# KiCad board Turbo_XT_Mainboard R3.kicad_pcb (continued)
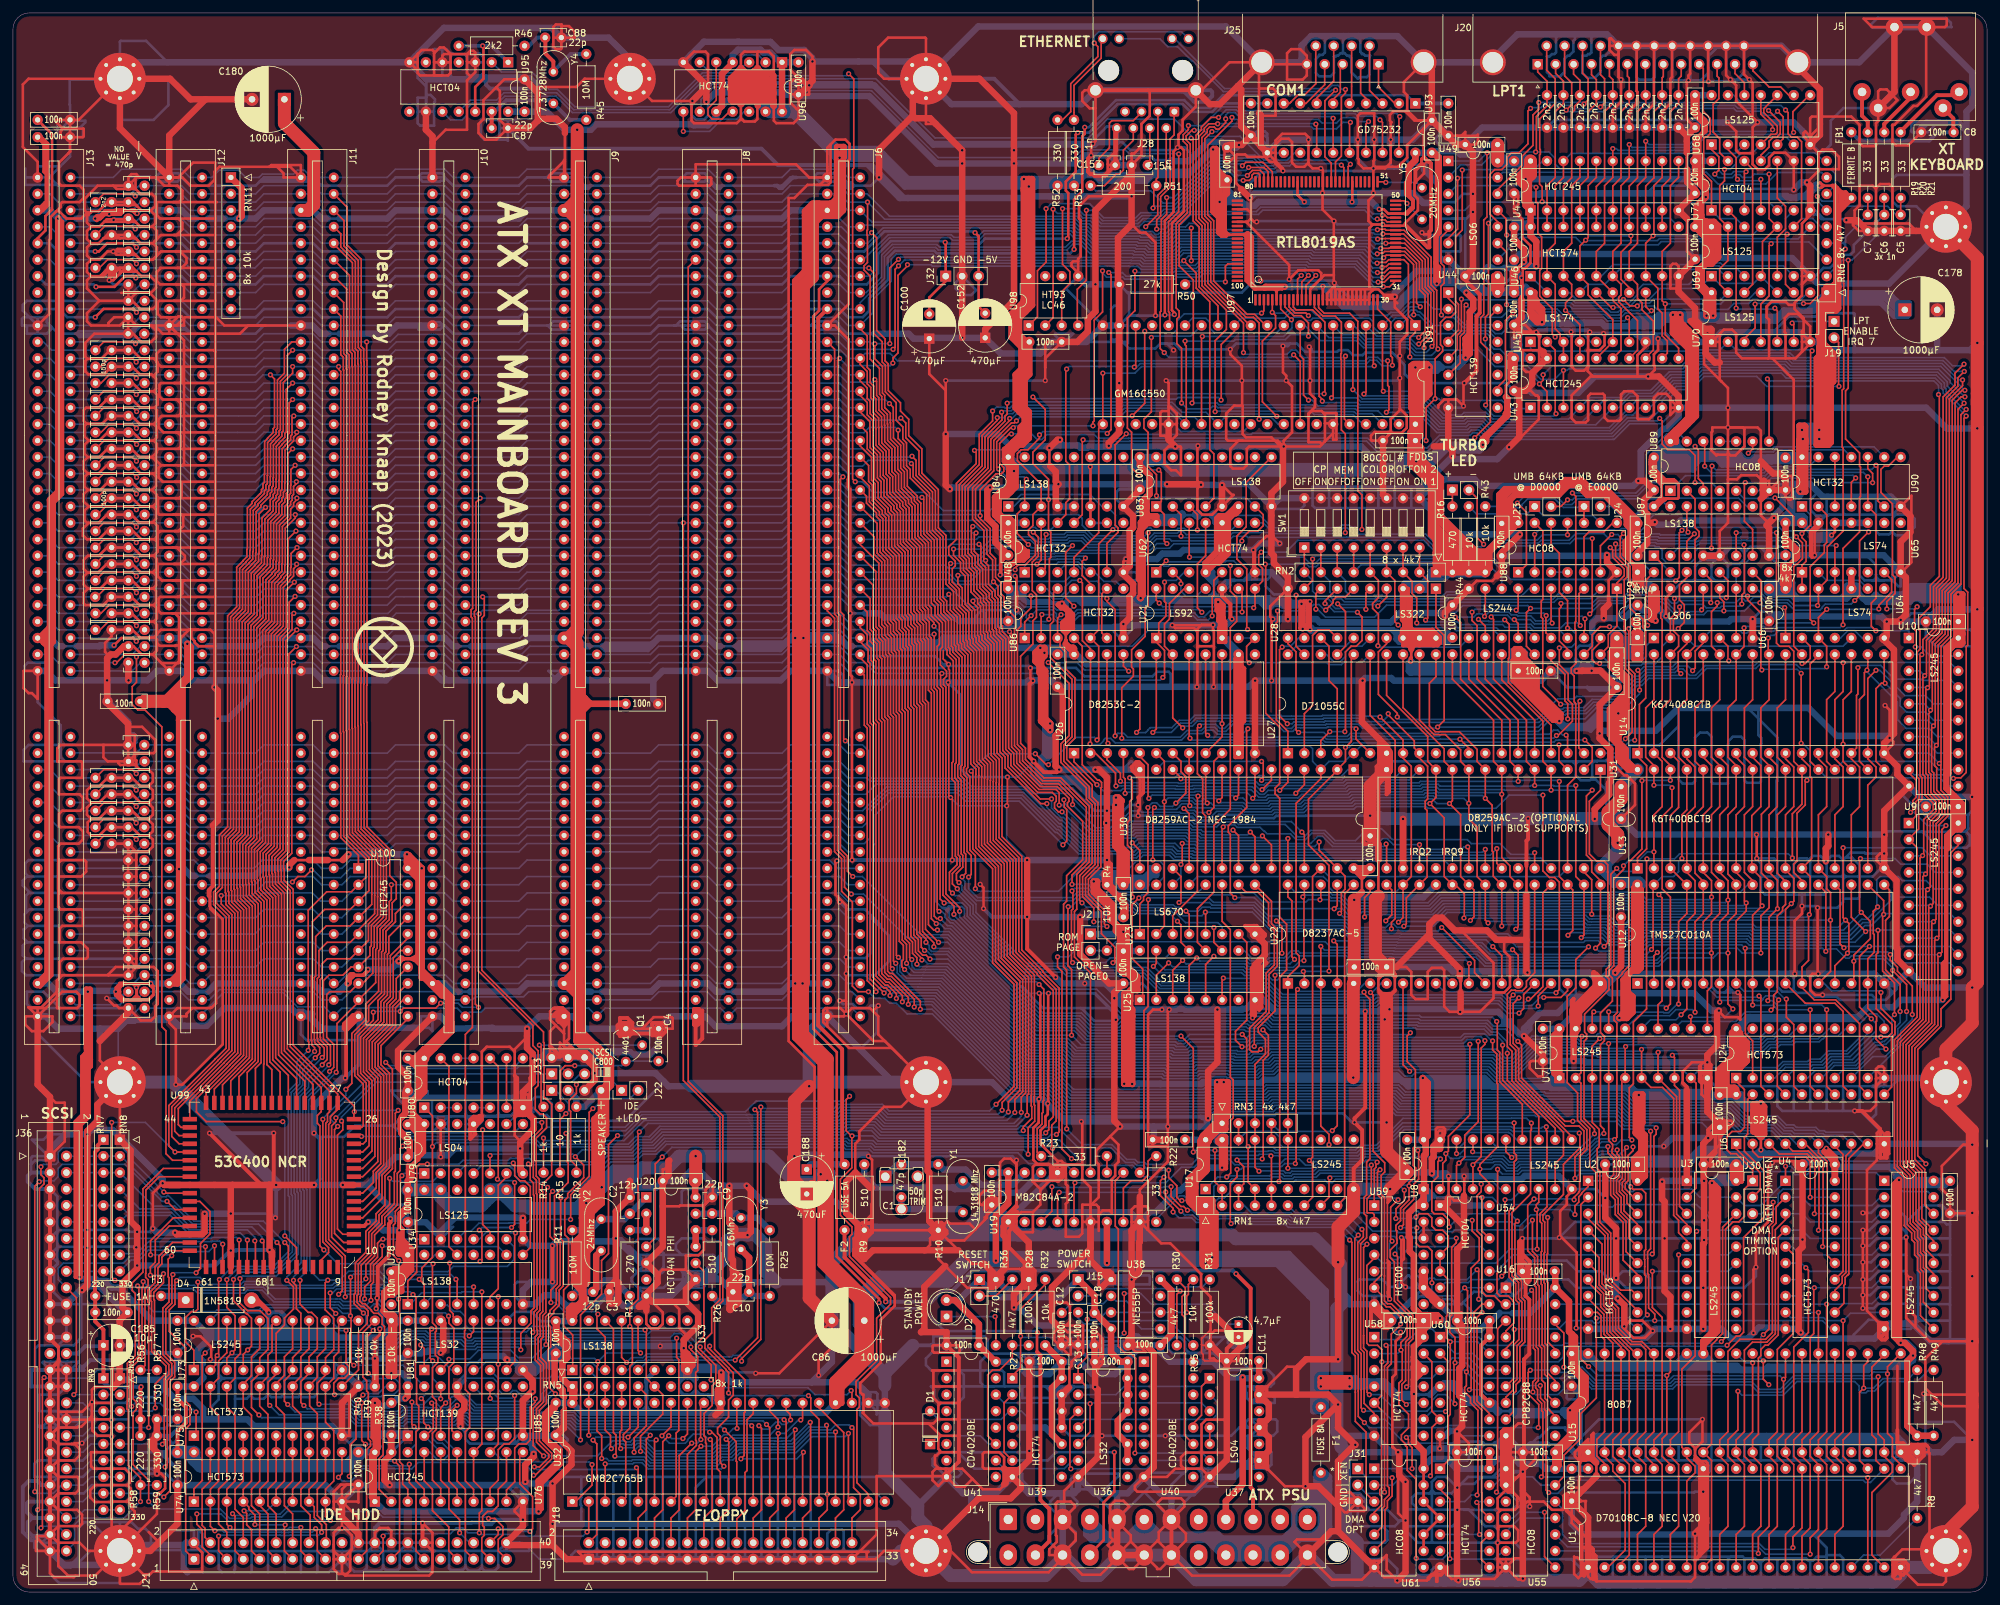
[diagram p0: board, top side]
## Routing (per net, layer and track width the routed paths; a pad name or vN(x,y) marks a point on that pad's centre or on a via; arc(x,y) is an arc through that point) (continued)
Net-(R9-Pad2): length 35.3
  Bottom w1: 145.41,62.23 Y1.1 148.12,62.07 ; 145.41,62.23 147.95,62.23 148.12,62.07 ; 145.41,62.23 145.16,62.48 133.1,62.48 131.44,64.13 R9.2 ; 148.12,62.07 148.52,61.66 155.6,61.66 158.7,64.77 U19.16
Net-(R12-Pad1): length 5.1
  Top w1: U20.2 U20.3
  Bottom w1: R12.1 U20.3
Net-(R14-Pad2): length 275.3
  Top w0.25: v1(81.91,70.1) R14.2 ; v1(155.69,74.07) 155.69,76.42 156.36,77.09 156.36,94.73 153.06,98.03 153.06,112.44 150.01,115.5 150.01,125.69 150.03,125.72 150.03,127.65 149.23,128.45 149.23,145.5 148.26,146.47 148.26,147.15 148.04,147.37 148.04,151.49 147.02,152.52 147.02,156.9 146.3,157.61 146.3,159.01 145.22,160.09 v1(145.22,161.06) ; U88.11 v1(240.03,163.25)
  Bottom w0.25: v1(155.69,74.07) 155.69,73.51 154.56,72.38 134.63,72.38 133.49,73.51 128.22,73.51 127.53,72.82 113.66,72.82 113.65,72.82 97.46,72.82 94.35,69.7 82.31,69.7 v1(81.91,70.1) ; v1(240.03,163.25) 236.15,163.25 235.34,162.44 228.8,162.44 227.32,160.97 219.9,160.97 217.99,162.88 205.93,162.88 205.92,162.87 190.63,162.87 190.47,163.03 188.43,163.03 187.72,162.32 178.89,162.32 178.58,162.62 176.59,162.62 175.27,161.31 165.98,161.31 164.97,162.31 163.2,162.31 162.87,161.97 160.51,161.97 160.23,161.7 157.89,161.7 157.12,162.48 150.9,162.48 149.48,161.06 v1(145.22,161.06)
Net-(R22-Pad1): length 13.6
  Top w0.25: U19.8 171.45,62.36 172.59,63.5 174.39,63.5 175.26,64.37 175.26,66.55 176.02,67.31 R22.1
Net-(R23-Pad1): length 2.5
  Top w0.25: R23.1 U19.12
Net-(R26-Pad2): length 5.1
  Top w1: U20.12 U20.11
  Bottom w1: R26.2 U20.12
Net-(R30-Pad2): length 32.9
  Top w0.25: R30.2 181.01,46.95 181.01,46.14 180.5,45.63 180.5,42.83 180.88,42.45 180.88,24.22 U40.11
  Bottom w0.25: R31.2 183.66,47.13 180.83,47.13 R30.2
Net-(R46-Pad2): length 19.7
  Top w0.4: v1(72.52,238.76) 72.64,238.63 72.64,233.68 71.37,232.41 U95.12
  Bottom w0.6: R46.2 72.64,238.76 v1(72.52,238.76) 73.91,238.76 U95.1
Net-(R49-Pad2): length 47.1
  Top w0.25: U1.31 266.06,19.69 264.79,20.95 264.79,23.5 266.33,25.03 v1(266.33,31.01)
  Bottom w0.25: v1(266.33,31.01) 266.94,30.4 273.35,30.4 275.46,32.51 284.35,32.51 285.03,31.83 285.03,31.14 285.41,30.77 286.1,30.77 286.38,31.04 287.45,31.04 288.92,32.51 294,32.51 295.78,34.29 R49.2
Net-(R50-Pad1): length 10.9
  Top w0.25: v1(187.2,202.31) 187.2,204.72 187.56,205.09 U97.96
  Bottom w0.25: R50.1 181.1,201.93 181.61,202.44 187.07,202.44 v1(187.2,202.31)
Net-(RN6-Pad8): length 69.8
  Top w0.25: U49.6 221.62,209.04 223.05,210.48 v1(223.05,218.31)
  Bottom w0.25: RN6.8 279.27,219.2 272.43,219.2 270.65,217.42 263.27,217.42 261.46,219.24 235.09,219.24 235.05,219.2 230,219.2 U49.13 223.18,218.44 v1(223.05,218.31)
Net-(U21-Pad9): length 42.6
  Top w0.25: v1(189.77,151.34) 189.77,154.4 U21.9 ; v1(157.21,150.78) 156.21,149.78 U86.1
  Bottom w0.25: v1(189.77,151.34) 189.66,151.45 184.8,151.45 183.91,150.57 183.06,150.57 182.43,151.2 164.44,151.2 163.44,150.2 161.47,150.2 161.1,150.57 161.1,151.07 160.5,151.66 158.1,151.66 v1(157.21,150.78)
Net-(U21-Pad11): length 8
  Top w0.25: U62.2 180.34,156.21 v1(180.34,155.7)
  Bottom w0.25: v1(180.34,155.7) 180.34,154.56 181.08,153.81 182.78,153.81 183.9,154.94 U21.11
Net-(U25-Pad11): length 80.3
  Top w0.25: U25.11 185.42,100.33 v1(185.42,102.62) ; U86.12 160.66,154.31 160.66,149.91 160.16,149.41 160.16,144.31 163.52,140.95 163.52,132.05 162.25,130.79 162.25,128.29 166.18,124.36 166.18,122.62 167.07,121.73 167.07,112.36 165.15,110.44 165.15,107.36 166.88,105.64 v1(166.88,103.5)
  Bottom w0.25: v1(185.42,102.62) 185.24,102.8 170.11,102.8 169.41,103.5 v1(166.88,103.5)
Net-(U28-Pad11): length 127.4
  Top w0.25: v1(198.5,132.74) 198.1,133.14 198.1,145.19 196.85,146.45 U28.11 ; U65.6 290.07,156.34 290.07,154.36 288.08,152.37 v1(288.08,151.81) ; v1(280.03,142.88) 280.03,146.05 U64.3 278.76,150.47 v1(280.05,151.75)
  Bottom w0.25: v1(280.05,151.75) 288.03,151.75 v1(288.08,151.81) ; v1(198.5,132.74) 202.4,132.74 203.01,132.13 206.03,132.13 206.48,132.58 220.05,132.58 220.37,132.9 235.52,132.9 238.06,135.44 239.67,135.44 239.88,135.66 242.91,135.66 244.2,136.95 248.48,136.95 250.13,138.6 250.13,139.3 250.83,140.01 251.49,140.01 252.58,141.1 259.97,141.1 261.49,142.62 269.09,142.62 269.67,143.2 275.39,143.2 276.01,142.58 279.74,142.58 v1(280.03,142.88)
Net-(U34-Pad4): length 28.7
  Top w0.25: v1(77.59,55.46) 77.47,55.34 77.47,35.56 U81.6
  Bottom w0.25: v1(77.59,55.46) 76.89,55.46 76.74,55.61 73.12,55.61 71.99,54.48 U34.4
Net-(U34-Pad5): length 24.2
  Top w0.25: v1(72.52,71.37) 72.52,56.76 73.66,55.61 U34.5
  Bottom w0.25: 78.74,72.26 77.61,71.14 72.75,71.14 v1(72.52,71.37)
Net-(U36-Pad2): length 30
  Top w0.25: U37.1 183.51,31.75 183.51,27.31 182.25,26.04 U40.12
  Bottom w0.25: U36.2 170.3,30.48 171.57,31.75 183.51,31.75 U37.1
Net-(U36-Pad3): length 28.9
  Top w0.25: v1(163.33,19.04) 163.19,19.18 163.19,26.67 U36.3
  Bottom w0.25: U40.10 176.28,20.32 174.99,19.04 v1(163.33,19.04)
Net-(U36-Pad5): length 41.2
  Top w0.25: v1(166.32,29.08) 166.32,24.71 U36.5
  Bottom w0.25: v1(166.32,29.08) 166.44,29.21 183.51,29.21 U37.3 ; v1(166.32,29.08) 166.19,29.21 153.03,29.21 U41.14 ; v1(166.32,29.08) 166.3,29.07
Net-(U36-Pad6): length 13.8
  Bottom w0.25: U36.6 163.59,20.32 162.32,19.05 153.03,19.05 U41.10
Net-(U37-Pad4): length 2.5
  Top w0.25: U37.4 U37.5
Net-(U43-Pad1): length 111.2
  Top w0.25: U44.1 221.62,199.79 222.74,198.66 222.74,197.58 222.01,196.85 221.22,196.85 220.41,196.04 220.41,192.62 220.74,192.29 220.74,191.6 219.58,190.44 v1(219.58,184.28) 219.58,184.28 218.19,182.88 v1(218.19,177.8) ; v1(171.9,178.86) 170.18,177.15 170.18,164.76 170.62,164.32 170.62,163.64 168.91,161.93 U48.6
  Bottom w0.25: v1(171.9,178.86) 171.99,178.76 191.21,178.76 191.39,178.94 217.04,178.94 v1(218.19,177.8) ; U43.1 234.19,182.75 231.14,182.75 229.87,184.02 220.4,184.02 220.15,184.28 v1(219.58,184.28)
Net-(U44-Pad15): length 96.9
  Top w0.25: v1(165.23,177.94) 165.1,177.81 165.1,166.37 U48.11 ; v1(225.7,178.27) 228.11,180.67 228.11,196.99 U44.15
  Bottom w0.25: v1(225.7,178.27) 225.49,178.05 220.34,178.05 218.44,176.15 210.57,176.15 208.98,177.73 172.47,177.73 172.43,177.69 169.59,177.69 169.54,177.73 165.43,177.73 v1(165.23,177.94)
Net-(U45-Pad2): length 70
  Top w0.25: v1(227.38,183.3) 227.58,183.5 227.58,192.02 226.62,192.99 226.62,196.78 227.09,197.25 227.09,211.85 227.58,212.34 227.58,222.23 v1(227.61,222.26) ; U45.2 238.12,191.77 238.12,182.08 v1(238.25,181.95)
  Bottom w0.25: v1(227.38,183.3) 227.38,182.86 228.65,181.59 237.89,181.59 v1(238.25,181.95) ; U49.1 226.34,220.98 v1(227.61,222.26)
Net-(U45-Pad5): length 46
  Top w0.25: v1(238.12,193.8) 237.67,194.25 237.67,198.18 235.73,200.12 235.73,204.08 236.03,204.38 236.03,209.26 235.44,209.85 235.44,214.42 235.16,214.7 v1(235.16,216.91)
  Bottom w0.25: U45.5 243.62,193.04 242.48,194.18 241.23,194.18 240.92,193.87 240.23,193.87 239.9,194.2 238.52,194.2 v1(238.12,193.8) ; v1(235.16,216.91) 234.9,217.17 222.88,217.17 U49.3
Net-(U45-Pad7): length 51.2
  Top w0.25: U49.5 221.62,210.32 220.48,209.18 220.48,205.21 220.97,204.72 220.97,202.12 220.47,201.62 220.47,197.28 v1(220.55,197.21) ; v1(249.31,196.79) 249.56,196.54 U45.7
  Bottom w0.25: v1(249.31,196.79) 248.81,196.28 246.16,196.28 245.61,196.83 240.35,196.83 240.25,196.73 239.18,196.73 238.24,197.68 232.79,197.68 231.9,196.79 231.23,196.79 230.65,196.2 230.65,195.12 229.84,194.31 228.89,194.31 227.95,195.26 223.97,195.26 222.42,196.81 220.95,196.81 v1(220.55,197.21)
Net-(U45-Pad10): length 33.7
  Top w0.25: v1(249.81,209.42) 249.81,208.41 248.28,206.88 248.28,202.69 249.56,201.42 U45.10 ; v1(230.63,209.55) 230.5,209.68 230.5,212.09 U49.11
  Bottom w0.25: v1(230.63,209.55) 232.31,209.55 232.46,209.69 242.93,209.69 242.95,209.68 242.97,209.68 243.22,209.42 v1(249.81,209.42)
Net-(U55-Pad4): length 15.5
  Top w0.25: v1(236.47,12.32) 236.47,5.46 U55.8
  Bottom w0.25: v1(236.47,12.32) 232.53,12.32 231.64,11.43 U55.4
Net-(U55-Pad6): length 21.2
  Top w0.25: v1(221.86,5.14) 221.86,14.36 220.34,15.88 U56.2
  Bottom w0.25: v1(221.86,5.14) 221.93,5.08 228.79,5.08 230.06,6.35 U55.6
Net-(U55-Pad11): length 8.9
  Bottom w0.25: U55.11 232.66,11.43 230.5,9.27 U55.5
Net-(U56-Pad10): length 6.1
  Top w0.25: U56.10 226.69,7.62 226.69,5.08 U56.8
Net-(U56-Pad12): length 13.2
  Top w0.25: v1(226.01,13.84) 226.31,13.54 226.31,9.02 v1(226.44,8.89)
  Bottom w0.25: U56.12 226.14,13.97 v1(226.01,13.84) ; U56.5 v1(226.44,8.89)
Net-(U58-Pad8): length 13.8
  Top w0.25: v1(216.03,19.05) 216.03,22.29 215.46,22.86 215.46,23.55 v1(215.14,23.88)
  Bottom w0.25: v1(216.03,19.05) 216.03,19.05 U61.1 ; U58.8 215.39,24.13 v1(215.14,23.88)
Net-(U58-Pad11): length 30.9
  Top w0.25: v1(213.39,52.2) 213.79,51.8 213.79,45.08 216.15,42.71 216.15,39.11 215.48,38.44 215.48,31.99 v1(215.17,31.68)
  Bottom w0.25: v1(213.39,52.2) 213.65,52.46 213.65,53.83 213.66,53.84 213.66,54.54 213.28,54.91 210.49,54.91 U59.3 ; U58.11 215.24,31.75 v1(215.17,31.68)
Net-(U58-Pad13): length 29.8
  Top w0.25: v1(218.86,17.93) 219.07,18.15 219.07,25.4 U60.6 219.07,27.94 219.07,35.56 U58.13
  Bottom w0.25: v1(218.86,17.93) 218.77,17.84 214.37,17.84 213.04,16.51 U61.2
Net-(U59-Pad5): length 42.2
  Top w0.25: v1(226.06,49.78) 226.31,49.53 v1(226.31,45.21) ; v1(226.82,43.18) 226.04,42.4 226.04,29.49 227.96,27.56 U60.9
  Bottom w0.25: v1(226.31,45.21) 226.82,44.7 v1(226.82,43.18) ; v1(226.06,49.78) 224.54,48.26 219.64,48.26 219.42,48.48 218.73,48.48 218.51,48.26 217.41,48.26 215.63,50.04 210.69,50.04 U59.5
Net-(U62-Pad5): length 39.4
  Top w0.25: U62.5 185.42,156.21 185.42,153.92 185.17,153.67 v1(185.17,150.73) ; v1(158.87,150.94) 158.75,150.82 U86.2
  Bottom w0.25: v1(185.17,150.73) 184.56,150.12 182.88,150.12 182.25,150.75 164.63,150.75 163.63,149.75 161.29,149.75 160.65,150.39 160.65,150.88 160.59,150.94 v1(158.87,150.94) 158.87,151.09 158.99,151.21
Net-(U64-Pad4): length 6
  Bottom w0.25: U64.4 282.18,147.32 283.32,148.46 284.37,148.46 285.51,147.32 U64.6
Net-(U64-Pad9): length 8.7
  Bottom w0.25: U65.2 280.03,156.21 285.12,156.21 U64.9
Net-(U78-Pad9): length 25.5
  Top w0.25: U78.9 79.88,53.21 79.88,62.63 79.01,63.5 78.29,63.5 77.47,64.32 77.47,66.03 v1(77.25,66.25)
  Bottom w0.25: U79.3 70.16,66.22 77.22,66.22 v1(77.25,66.25)
Net-(U78-Pad14): length 24.8
  Top w0.25: v1(60.06,64.3) 59.81,64.05 59.81,59.55 59.03,58.78 59.03,56.95 58.74,56.65 58.74,52 v1(59.56,51.17)
  Bottom w0.25: v1(59.56,51.17) 59.96,50.77 63.86,50.77 65.17,52.07 U78.14 ; v1(60.06,64.3) 60.4,64.64 U79.1
Net-(U80-Pad2): length 2.5
  Bottom w0.25: U80.2 U80.3
Net-(U80-Pad4): length 2.5
  Bottom w0.25: U80.4 U80.5
Net-(U80-Pad6): length 7.6
  Top w0.25: U80.6 U80.9
Net-(U80-Pad10): length 53.7
  Top w0.25: v1(72.01,55.88) 72.41,55.48 72.41,51.34 v1(72.13,51.06) ; v1(67.44,50.8) 67.44,43.5 67.98,42.96 67.98,42.51 U81.12 ; v1(76.98,56.29) 77.46,56.77 v1(77.46,63.23) ; U80.10 74.93,81.15 74.93,63.88 v1(74.8,63.75)
  Bottom w0.25: v1(74.8,63.75) 75.04,63.52 77.17,63.52 v1(77.46,63.23) ; v1(72.01,55.88) 72.42,56.29 v1(76.98,56.29) ; v1(67.44,50.8) 71.87,50.8 v1(72.13,51.06)
Net-(U80-Pad11): length 2.5
  Bottom w0.25: U80.12 U80.11
Net-(U86-Pad6): length 8.3
  Top w0.25: U86.6 168.11,148.12 168.11,154.14 U86.9
Net-(U87-Pad14): length 34.6
  Top w0.25: v1(258.64,163.65) 258.44,163.85 U87.14 ; v1(234.95,163.32) U88.2
  Bottom w0.25: v1(258.64,163.65) 258.21,163.23 254.36,163.23 254.2,163.4 249.99,163.4 249.17,164.21 248.34,164.21 248.11,163.97 247.25,163.97 247.2,164.02 246.5,164.02 246.45,163.97 235.6,163.97 v1(234.95,163.32)
Net-(U87-Pad15): length 37.4
  Top w0.25: v1(232.28,168.15) 233.68,166.75 233.68,158.62 232.54,157.48 U88.1
  Bottom w0.25: v1(232.28,168.15) 233.43,169.29 238.21,169.29 239.57,167.93 240.69,167.93 241.57,168.82 254.32,168.82 255.5,167.64 255.9,167.64
Net-(U88-Pad3): length 2.5
  Bottom w0.25: U88.3 U88.4
Net-(U88-Pad5): length 11.4
  Top w0.25: U88.8 247.01,165.1 245.62,163.7 243.33,163.7 242.57,162.94 U88.5
Net-(U89-Pad3): length 37.5
  Top w0.25: v1(259.71,176.91) 260.22,176.4 260.22,171.95 260.99,171.18 U89.3
  Bottom w0.25: U90.9 287.35,176.84 271.93,176.84 271.65,176.55 268.33,176.55 268.29,176.59 267.54,176.59 267.5,176.55 260.08,176.55 v1(259.71,176.91)
Net-(U89-Pad6): length 23.9
  Top w0.25: U90.10 286.38,173.48 287.13,172.74 v1(287.13,171.31)
  Bottom w0.25: U89.6 269.52,170.05 271.47,172 277.98,172 278.68,171.31 v1(287.13,171.31)
Net-(U89-Pad9): length 18.7
  Top w0.25: v1(267.94,175.86) 268.6,176.53 U89.9
  Bottom w0.25: v1(267.94,175.86) 268.13,176.05 271.79,176.05 272.12,176.39 282.72,176.39 U90.11
Net-(U89-Pad10): length 2.5
  Bottom w0.25: U89.11 U89.10
Net-(U90-Pad12): length 7.6
  Top w0.25: U90.12 U90.3
Net-(U91-Pad15): length 17.6
  Bottom w0.25: U91.9 195.09,194.45 185.51,194.45 184.78,195.18 184.78,196.09 184.17,196.71 182.1,196.71 U91.15
Net-(U95-Pad2): length 45.4
  Bottom w0.25: U95.2 75.41,234.73 80.11,234.73 82.8,232.03 84.07,232.03 86.75,229.35 87.61,229.35 87.61,229.36 89.43,229.36 89.43,229.35 101.21,229.35 106.45,234.6 111.79,234.6 113.41,236.22 113.66,236.22
Net-(U96-Pad2): length 12.7
  Bottom w0.25: U96.2 115.08,237.35 112.89,237.35 112.39,236.86 112.39,235.84 111.6,235.05 107.22,235.05 106.04,236.22
Net-(U96-Pad11): length 13.2
  Top w0.25: U96.11 110.62,228.6 109.47,227.46 107.95,227.46 107.31,228.09 107.31,229.1 108.58,230.37 U96.5
Net-(U96-Pad12): length 14.5
  Top w0.25: v1(103.5,225.55) U96.8
  Bottom w0.25: 113.66,228.6 112.9,228.6 111.76,227.46 109.47,227.46 107.57,225.55 v1(103.5,225.55)
Net-(U97-Pad50): length 5.4
  Top w0.25: v1(215.23,214.43) 214.82,214.84 213.44,214.84
  Bottom w0.25: Y5.1 215.23,214.28 v1(215.23,214.43)
Net-(U97-Pad51): length 7.2
  Top w0.25: U97.51 211.87,217.77 v1(211.96,217.68)
  Bottom w0.25: v1(211.96,217.68) 216.72,217.68 Y5.2
Net-(U97-Pad76): length 61.2
  Top w0.25: U97.76 194.44,219.32 193,220.77 190.35,220.77 v1(189.82,220.24) ; v1(159.51,213.61) 159.51,205.36 158.18,204.03 158.18,196.91 U98.1
  Bottom w0.25: v1(159.51,213.61) 160.29,214.39 166.22,214.39 168.4,212.22 173.35,212.22 174.13,212.99 177.19,212.99 177.71,213.51 179.34,213.51 186.37,220.53 189.53,220.53 v1(189.82,220.24)
Net-(U97-Pad77): length 52.8
  Top w0.25: U98.4 164.34,195.71 164.34,201.17 165.74,202.56 v1(165.74,213.36) ; v1(190.79,219.98) 193.15,219.98 193.79,219.34 U97.77
  Bottom w0.25: v1(165.74,213.36) 166.62,213.36 168.22,211.77 173.54,211.77 174.31,212.54 177.38,212.54 177.89,213.06 179.52,213.06 186.55,220.08 188.36,220.08 188.93,219.52 190.33,219.52 v1(190.79,219.98)
Net-(U97-Pad78): length 56.7
  Top w0.25: U98.3 161.93,200.79 163.19,202.06 163.19,203.88 162.05,205.03 v1(162.05,213.61) ; v1(190.59,218.74) 191.38,219.53 192.59,219.53 193.14,218.97 U97.78
  Bottom w0.25: v1(190.59,218.74) 189.07,218.74 188.18,219.63 186.74,219.63 179.71,212.61 178.08,212.61 177.56,212.09 174.5,212.09 173.73,211.32 168.03,211.32 166.71,212.63 165.39,212.63 164.41,213.61 v1(162.05,213.61)
Net-(U97-Pad79): length 57.3
  Top w0.25: v1(189.94,217.98) 190.9,217.98 191.31,218.39 191.31,218.79 191.6,219.08 192.27,219.08 192.5,218.86 U97.79 ; v1(160.6,213.55) 160.6,196.79 U98.2
  Bottom w0.25: v1(189.94,217.98) 189.2,217.98 187.99,219.18 186.93,219.18 179.9,212.16 178.27,212.16 177.75,211.64 174.69,211.64 173.91,210.87 167.84,210.87 166.52,212.18 165.2,212.18 164.5,212.89 161.25,212.89 v1(160.6,213.55)

## Copper pours and planes (outline as drawn; the poured copper is in the pictures)
GNDD on Top: 302.89,243.33 303.4,243.08 303.91,242.7 304.16,242.32 304.29,242.06 304.42,241.68 304.42,2.16 304.29,1.65 303.91,1.14 303.66,0.89 303.28,0.63 302.51,0.38 2.41,0.38 1.78,0.51 1.27,0.76 0.76,1.27 0.51,1.78 0.38,2.16 0.38,241.55 0.51,242.06 0.76,242.57 1.27,243.08 1.65,243.33 2.03,243.46 302.39,243.46
GNDD on Bottom: 303.02,243.33 303.53,243.08 304.04,242.57 304.29,242.19 304.42,241.81 304.42,2.16 304.29,1.78 304.04,1.27 303.53,0.76 303.02,0.51 302.64,0.38 2.29,0.38 1.78,0.51 1.52,0.63 1.14,0.89 0.89,1.14 0.63,1.52 0.38,2.16 0.38,241.55 0.51,242.06 0.76,242.57 1.14,242.95 1.65,243.33 2.03,243.46 302.51,243.46

## Text on the board
F.SilkS: 2n2 | 150p | 100p | 220 | 330 | 100 | 81 | 80 | 1 | 51 | 30 | 50 | 31 | NO / VALUE / = 470p | 100n | SCSI | C800 | 50p / TRIM | 3x 1n | FUSE 5A | 14.31818 Mhz | FUSE 8A | FERRITE B | 4401 | FUSE 1A | | / V | 10µF | 2 | 44 | 60 | 43 | 61 | 1N5819 | HCT573 | LS245 | 68 | 1000µF | 27 | 9 | 26 | 10 | HCT245 | LS138 | HCT139 | HCT04 | LS32 | LS04 | LS125 | 2k2 | 22p | 40 | 39 | 12p | GM82C765B | + | IDE | LED | - | HCT74 | 8x 1k | 470uF | 34 | 33 | 470µF | -12V GND -5V | RESET / SWITCH | M82C84A-2 | HCT32 | HT93 / LC46 | ROM / PAGE | POWER / SWITCH | OPEN= / PAGE0 | D8253C-2 | 200 | GM16C550 | 27k | LS670 | LS92 | D8259AC-2 NEC 1984 | 4,7µF | 4x 4k7 | 8x 4k7 | OFF | CP | ON | D71055C | D8237AC-5 | * | MEM | DMA / OPT | 80COL | COLOR | GD75232 | 8 x 4k7 | LS322 | # FDDS | IRQ2 | IRQ9 | LS244 | D8259AC-2 (OPTIONAL / ONLY IF BIOS SUPPORTS) | UMB 64KB / @ D0000 | HC08 | LS174 | HCT574 | UMB 64KB / @ E0000 | 8087 | D70108C-8 NEC V20 | LS06 | TMS27C010A | K6T4008CTB | DMA / TIMING / OPTION | 8x / 4k7 | LS74 | LPT / ENABLE / IRQ 7 | 8x 10k | 10k | 7.3728Mhz | 1k | 10M | 24Mhz | SPEAKER | 270 | HCT04N PHI | 510 | 16Mhz | 47p | STANDBY / POWER | CD4020BE | 470 | 4k7 | 100k | 1n | NE555P | ~{XEN} | GND | HCT00 | 20MHz | CP82C88 | ~{DMAAEN} | ~{AEN} | 49 | 53C400 NCR | IDE HDD | FLOPPY | ETHERNET | ATX PSU | COM1 | RTL8019AS | TURBO / LED | LPT1 | XT / KEYBOARD | Design by Rodney Knaap (2023) | ATX XT MAINBOARD REV 3
